# Altium PCB HGT-300.PcbDoc (part 3 of 3)
Units mil, origin at the board's own origin, x right, y up, seen from the top; angles counter-clockwise.
Board outline 10039.37 x 5590.55 mil, 2 copper layers (Top Layer, Bottom Layer); 434 components, 232 nets, 1287 pads, 266 vias.
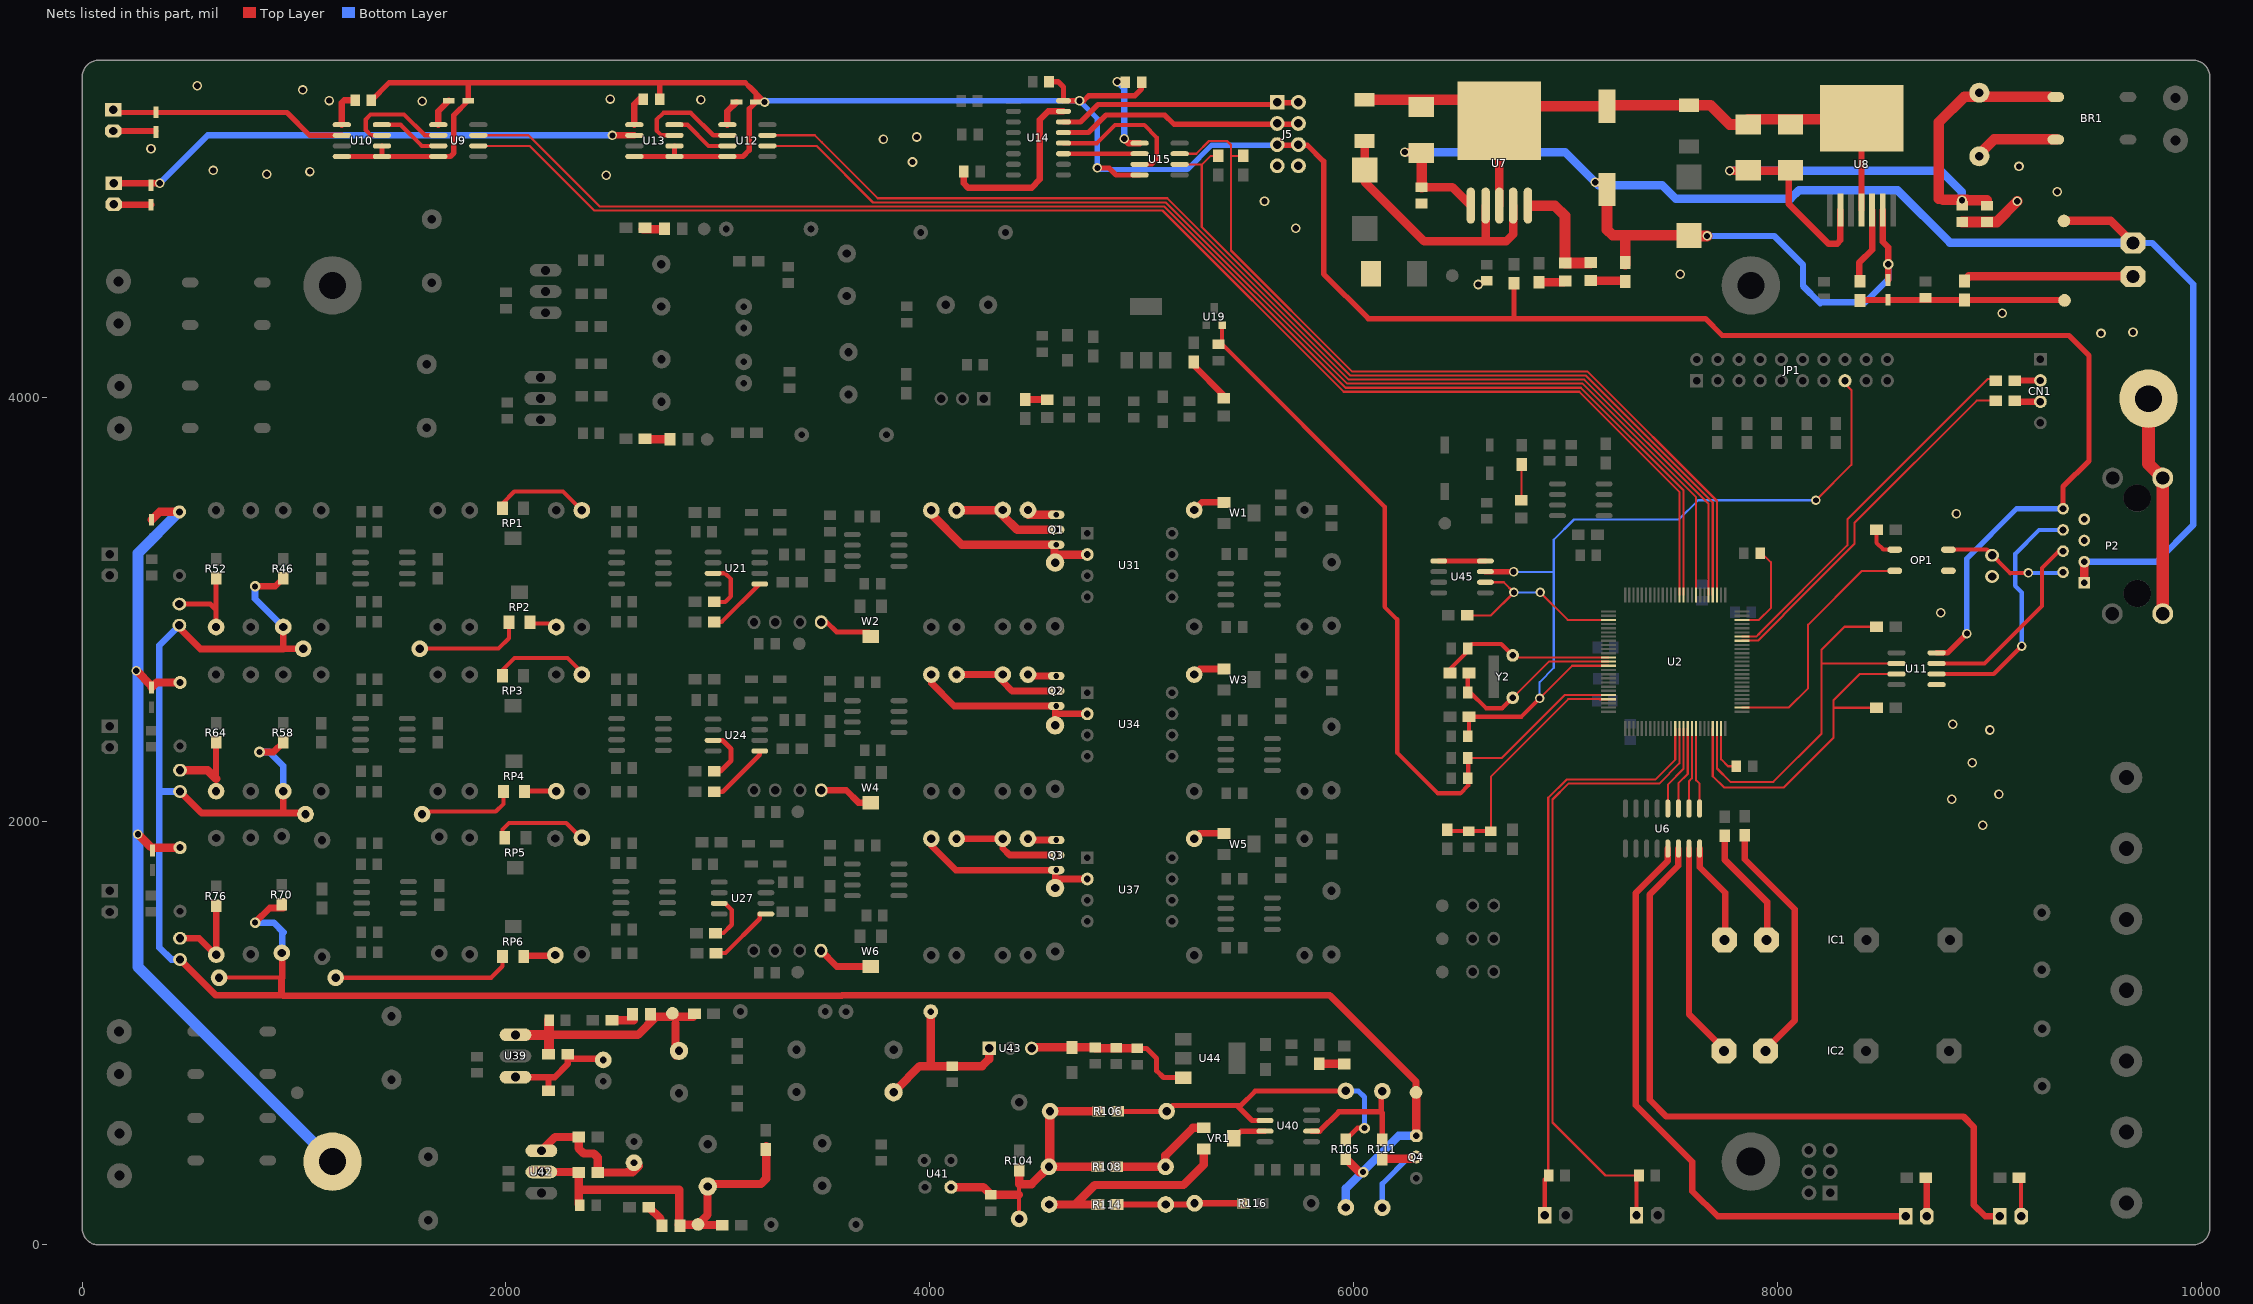
[diagram p3: the nets of this part, all layers, seen from the top]

## Via types
v1: diameter 45, hole 30, Top Layer to Bottom Layer, 224 vias
v2: diameter 45, hole 28, Top Layer to Bottom Layer, 35 vias
v3: diameter 50, hole 28, Top Layer to Bottom Layer, 6 vias
v4: diameter 50, hole 30, Top Layer to Bottom Layer, 1 vias

## Nets (pads, with @x,y where several pads share a name; then routed paths per layer and width w, separated by ;. In a path a pad name is that pad's centre, name@x,y a point inside that pad or via, vN(x,y) a via of type N, cw(c..) or ccw(c..) an arc to the next point about the centre after c; other vN are vias at no path point) (continued)
NetC141_2: C141.2 C142.2 LED7.2 P11.1 R103.2 R107.1 U39.3 | length 1172.3
  Top Layer w39.37: 2200.26,991.74 2204,991.74 2622.26,991.74 2707.52,1077 R103.2@2883.98,1077 ; 2204,984 2208,980 ; C141.2@2800,895 2800,1046
  Top Layer w47.24: U39.3@2044.99,991.74 2200.26,991.74 ; R107.1@2204,919 2204,984 2204,991.74 C142.2@2204,1060.38
NetC143_2: C143.2 R107.2 R109.2 U39.1 | length 512.4
  Top Layer w30: U39.1@2044.99,791.74 2229.74,791.74 2292,854 R107.2@2292,898.91 ; R109.2@2200.86,728 2200.86,785 ; R107.2@2299,879 C143.2@2433,879 ; R107.2@2292,898.91 2292,900 R107.2@2290.91,900 R107.2@2292,898.91
NetC144_1: C144.1 R104.1 R106.1 R108.2 U41.1 | length 1718.6
  Top Layer w20: 4419,237 4421,235 ; R104.1@4421,123 4421,235 ; 4421,287 4421,235
  Top Layer w40: U41.1@4100,273 4252,273 C144.1@4288,237 4419,237 ; R104.1@4421,364 R104.1@4421,353 4421,287 4480,287 R108.2@4562,369 ; R108.2@4561,390 4563,392 R106.1@4563,631 ; R108.2@4792,369 R108.2@4562,369 ; R106.1@4797,631 R106.1@4567,631 4567,374 R108.2@4562,369
NetC148_1: C148.1 R112.1 R115.2 U42.1 | length 642.3
  Top Layer w39.37: U42.1@2166.99,444.74 2231.99,509.74 R112.1@2342.91,509.74 2342.91,456.09 2367,432 2414,432 2432.91,413.09 R115.2@2432.91,342 2569,342 2570,343 2597,343 C148.1@2627,373
NetC149_1: C149.1 C150.1 LED8.1 P13.1 R115.1 R117.2 R118.2 U42.2 | length 1823.6
  Top Layer w20: LED8.1@2814.65,96 LED8.1@2818,99.35 ; P13.1@2906,97 2905,96 P13.1@2907,94
  Top Layer w39.37: U42.2@2166.99,344.74 R115.1@2340.17,344.74 ; C150.1@2342.91,192.18 2342.91,261 ; R115.1@2342.91,342 2342.91,261 ; LED8.1@2814.65,96 P13.1@2905,96 ; LED8.1@2818,99.35 2818,205.59 2818,261 2342.91,261 ; P13.1@2906,97 2951,142 2951,207.24 2951,288 3203,288 3228,313 R117.2@3228,467 ; P13.1@2907,94 R118.2@3020.56,94
NetC157_1: C157.1 C160.1 L10.2 U43.1 | length 830.2
  Top Layer w39.37: C157.1@3810,734 3842,734 3952,844 C160.1@4106,844 4247,844 4280,877 U43.1@4280,928.01 ; 4005,845 L10.2@4005,1095
NetC158_1: C158.1 C161.1 C162.1 C163.1 U43.3 U44.3 | length 808.8
  Top Layer w23.62: C163.1@4978,928 5022,928 5070,880 5070,822 5102.1,789.9 U44.3@5196,789.9
  Top Layer w40: U43.3@4480,928.01 4483.99,932 C158.1@4671,932 C161.1@4780,932 ; C161.1@4780,928 C163.1@4978,928
NetD2_2: D2.2 L3.1 U7.2 U7.4 | length 1315.1
  Top Layer w40: D2.2@6050,5208.56 6052,5206.56 L3.1@6052,5072.8 6052,5016 6333,4735 6719,4735 6752,4768 U7.4@6752,4904.31 ; 6622,4749 U7.2@6622,4904.31
NetD10_K: D10.K Q1.3 R88.1 U31.2 | length 901.9
  Top Layer w39.37: R88.1@4007,3466 4007,3448 4151.13,3303.87 4588,3303.87 4588,3266 ; D10.K@4588,3219.74 4588,3266 ; U31.2@4742.94,3256.04 4597.96,3256.04 4588,3266
NetD11_K: D11.K Q2.3 R95.1 U34.2 | length 909.2
  Top Layer w31.5: R95.1@4007,2691.5 4007,2651 4114.87,2543.13 Q2.3@4596,2543.13 ; D11.K@4591,2452 Q2.3@4591,2538.13 ; 4594.04,2506.04 U34.2@4742.94,2506.04
NetD12_K: D12.K Q3.3 R102.1 U37.2 | length 896.8
  Top Layer w31.5: R102.1@4007,1917 4007,1884 4122.13,1768.87 Q3.3@4596,1768.87 ; D12.K@4591,1684.74 Q3.3@4591,1763.87 ; D12.K@4594.96,1727.04 U37.2@4742.94,1727.04
NetH3_1: H3.1 U6.14 | length 3338.2
  Top Layer w30: U6.14@7532,1870.51 7532,1790 7396,1654 7396,685 7475,606 8877,606 8926,557 8926,189 8980,135 H3.1@9049,135
NetH3_2: H3.2 R19.2 | length 173.2
  Top Layer w20: H3.2@9149,135 R19.2@9149,308.16
NetH4_1: H4.1 U6.13 | length 2844.9
  Top Layer w30: U6.13@7482,1870.51 7482,1812 7331,1661 7331,660 7598,393 7598,254 7717,135 H4.1@8604,135
NetH4_2: H4.2 R20.2 | length 178.2
  Top Layer w30: H4.2@8704,135 R20.2@8704,313.19
NetIC1_3: IC1.3 R17.2 | length 580.3
  Top Layer w31.5: R17.2@7750,1931 7750,1819 7950.58,1618.42 IC1.3@7950.58,1433.74
NetIC1_4: IC1.4 U6.16 | length 487.2
  Top Layer w30: U6.16@7632,1870.51 7632,1783 7753.73,1661.27 IC1.4@7753.73,1433.74
NetIC2_3: IC2.3 R18.2 | length 1164.7
  Top Layer w30: R18.2@7845,1933 7845,1820 8081,1584 8081,1058.94 IC2.3@7944.58,922.52
NetIC2_4: IC2.4 U6.15 | length 1016.6
  Top Layer w30: U6.15@7582,1870.51 7582,1088.25 IC2.4@7747.73,922.52
NetJ2_1: J2.1 TVS12.1 U10.2 | length 1111.5
  Top Layer w25: J2.1@159,5344 TVS12.1@349,5344 966,5344 1074.15,5235.85 U10.2@1225.71,5235.85
NetJ4_1: J4.1 TVS14.1 U13.2 | length 2551.5
  Top Layer w30: J4.1@150,5009 v1(367,5009) ; v2(2501.85,5235.85) U13.2@2605.91,5235.85
  Bottom Layer w30: v1@369,5010 367,5010 592.85,5235.85 v2(2501.85,5235.85)
NetJ6_2: J6.2 R52.2 | length 414.2
  Top Layer w23.62: J6.2@459,3024.1 604.9,3024.1 632,2997 ; R52.2@632,2916 632,2997 ; R52.2@632,3146 632,2997
NetJ8_2: J8.2 R64.2 | length 358.1
  Top Layer w30: 632,2200 R64.2@632,2371.5
  Top Layer w40: J8.2@462,2240.1 591.9,2240.1 632,2200
NetJ10_2: J10.2 R76.2 | length 435.2
  Top Layer w23.62: R76.2@633,1368 R76.2@633,1370
  Top Layer w30: R76.2@633,1370 R76.2@633,1600
  Top Layer w31.5: J10.2@462,1447.1 551.9,1447.1 R76.2@632,1367
NetJ13_2: J13.2 W2.2 | length 248.9
  Top Layer w23.62: J13.2@3513.1,2939 3560.1,2892 3713.32,2892 W2.2@3734,2871.32
NetJ15_2: J15.2 W4.2 | length 258
  Top Layer w31.5: J15.2@3487.1,2145.5 3605.5,2145.5 3663.68,2087.32 W4.2@3721,2087.32
NetJ17_2: J17.2 W6.2 | length 265.8
  Top Layer w31.5: J17.2@3486.1,1389 3560.78,1314.32 W6.2@3721,1314.32
NetJP4_2: JP4.2 R23.2 | length 803.7
  Top Layer w40: R23.2@8882,4549 8903,4570 JP4.2@9677,4570
NetLED1_1: LED1.1 R22.2 | length 152.2
  Top Layer w40: LED1.1@7119,4550.76 R22.2@7271.24,4550.76
NetLED2_1: LED2.1 R25.2 | length 116.2
  Top Layer w40: R25.2@6874,4542 LED2.1@6990.24,4542
NetLED3_1: LED3.1 R36.1 | length 110.3
  Top Layer w39.37: R36.1@2644.6,4793.26 LED3.1@2754.86,4793.26
NetLED4_2: LED4.2 R38.2 | length 122.5
  Top Layer w39.37: R38.2@2652.03,3802.26 LED4.2@2774.58,3802.26
NetLED5_1: LED5.1 R44.1 | length 104.3
  Top Layer w31.5: R44.1@4450.52,3989.21 LED5.1@4554.78,3989.21
NetLED6_1: LED6.1 R43.2 | length 230
  Top Layer w30: R43.2@5245.02,4166.48 5245.02,4150.98 5387.5,4008.5 LED6.1@5387.5,3995.46
NetLED7_1: LED7.1 R110.1 | length 102.7
  Top Layer w39.37: R110.1@2500,1059.86 LED7.1@2602.76,1059.88
NetLED8_2: LED8.2 R113.2 | length 77.8
  Top Layer w39.37: R113.2@2673,179 2728,124
NetLED9_1: LED9.1 R119.2 | length 117.8
  Top Layer w39.37: R119.2@5838.24,854.76 LED9.1@5956,854.76
NetMCU_LED1_1: MCU_LED1.1 R8.2 | length 167.8
  Top Layer w10: MCU_LED1.1@6792,3515.24 R8.2@6792,3683
NetOP1_A: OP1.A R21.1 | length 161.1
  Top Layer w20: R21.1@8467,3375 8467,3313 8499,3281 OP1.A@8552.81,3281
NetOP1_K: OP1.K U2.52 | length 1163.8
  Top Layer w10: U2.52@7831.92,2536 8053,2536 8144,2627 8144,2927 8398,3181 OP1.K@8552.81,3181
NetP2_4: P2.4 U11.7 | length 921.3
  Top Layer w20: U11.7@8750.1,2744.01 8976.01,2744.01 9247,3015 9247,3194 9327,3274 P2.4@9347,3274
NetP2_6: P2.6 U11.6 | length 1177.2
  Top Layer w20: U11.6@8750.1,2694.01 9020.01,2694.01 v2(9152,2826)
  Bottom Layer w20: v2(9152,2826) 9152,3079 9121,3110 9121,3261 9234,3374 P2.6@9347,3374
NetQ1_1: Q1.1 R83.1 R86.2 | length 484.3
  Top Layer w39.37: R86.2@4126,3466 R83.1@4313,3466 ; R83.1@4344,3468 4344,3443 4412.26,3374.74 Q1.1@4588,3374.74
NetQ1_2: Q1.2 R84.1 | length 152.4
  Top Layer w39.37: R84.1@4444,3466 4464.39,3445.61 Q1.2@4588,3445.61
NetQ2_1: Q2.1 R90.1 R93.2 | length 521.7
  Top Layer w31.5: R93.2@4126,2691.5 R90.1@4344,2691.5 4344,2658 4388,2614 Q2.1@4596,2614
NetQ2_2: Q2.2 R91.1 | length 126.4
  Top Layer w31.5: R91.1@4469.63,2684.87 Q2.2@4596,2684.87
NetQ3_1: Q3.1 R97.1 R100.2 | length 528.4
  Top Layer w31.5: R100.2@4126,1917 R97.1@4344,1917 4344,1872 4376.26,1839.74 Q3.1@4596,1839.74
NetQ3_2: Q3.2 R98.1 | length 126.6
  Top Layer w31.5: R98.1@4469.39,1910.61 Q3.2@4596,1910.61
NetQ4_B: Q4.B R111.2 | length 476.2
  Top Layer w40: R111.2@6135,406 Q4.B@6286,406
  Bottom Layer w25: R111.2@6135,176 6135,289 6261,415 Q4.B@6295,415
NetR9_2: R9.2 RP2.1 | length 515.2
  Top Layer w20: R9.2@1595,2814 1965,2814 2014,2863 RP2.1@2014,2938.94
NetR10_2: R10.2 RP4.1 | length 456.9
  Top Layer w20: R10.2@1605,2045 1952,2045 1988,2081 RP4.1@1988,2139.94
NetR26_1: R26.1 U8.5 | length 357.1
  Top Layer w30: R26.1@8386,4551.47 8386,4636 8446,4696 U8.5@8446,4883.74
NetR27_1: R27.1 U2.48 U11.2 | length 1850
  Top Layer w10: U2.48@7713.81,2437.57 7713.81,2248.19 7777,2185 7980,2185 8207,2412 8207,2808 8316,2917 R27.1@8467,2917 ; 8214.99,2744.01 U11.2@8561.12,2744.01
NetR28_1: R28.1 U2.47 U11.3 | length 1640.9
  Top Layer w10: U2.47@7694.13,2437.57 7694.13,2211.87 7747,2159 8030,2159 8263,2392 8263,2569 8388.01,2694.01 U11.3@8561.12,2694.01 ; 8266,2535 R28.1@8467,2535
NetR31_1: R31.1 U2.68 | length 1725.5
  Top Layer w10: U2.68@7831.92,2850.96 7832.36,2851.39 7877,2851.39 7877.25,2851.64 7907.51,2851.64 8028,2972.13 8028,2973 8363,3308 8363,3408 8939,3984 R31.1@9029,3984
NetR32_1: R32.1 U2.69 | length 1772.5
  Top Layer w10: U2.69@7831.92,2870.64 7899.64,2870.64 7914.5,2885.5 7914.5,2886.5 8329,3301 8329,3423 8992,4086 R32.1@9029,4086
NetR48_2: R48.2 RP1.3 | length 474
  Top Layer w20: RP1.3@1983,3476.06 1983,3499 2039,3555 2269,3555 R48.2@2358,3466 ; R48.2@2385,3466 R48.2@2385,3482
NetR51_1: R51.1 U21.3 | length 266.6
  Top Layer w20: U21.3@2977.24,3169.13 3034.87,3169.13 3061,3143 3061,3061 3034.48,3034.48 R51.1@2982,3034.48
NetR55_2: R55.2 U21.5 | length 289.6
  Top Layer w20: R55.2@2982.05,2939.52 3017.63,2939.52 U21.5@3197.24,3119.13
NetR57_2: R57.2 RP2.3 | length 129
  Top Layer w20: RP2.3@2128,2932.94 2233.06,2932.94 R57.2@2250,2916
NetR60_2: R60.2 RP3.3 | length 437.3
  Top Layer w20: RP3.3@1983,2713 2040,2770 2290,2770 2358,2702 R60.2@2358,2691.5
NetR63_1: R63.1 U24.3 | length 257.9
  Top Layer w23.62: U24.3@2977.24,2381.13 3021.87,2381.13 3062,2341 3062,2285 3012.48,2235.48 R63.1@2982,2235.48
NetR67_2: R67.2 U24.5 | length 305.4
  Top Layer w20: R67.2@2982.05,2138.52 3022.52,2138.52 3197.24,2313.24 U24.5@3197.24,2331.13
NetR69_2: R69.2 RP4.3 | length 124
  Top Layer w23.62: RP4.3@2113,2142.89 R69.2@2237,2142.89
NetR72_2: R72.2 RP5.3 | length 460.4
  Top Layer w20: RP5.3@1983,1918.06 1983,1960 2014,1991 2284,1991 R72.2@2358,1917
NetR75_1: R75.1 U27.3 | length 270.6
  Top Layer w20: U27.3@2977.24,1613.87 3032.13,1613.87 3065,1581 3065,1511 3025.86,1471.86 R75.1@2989,1471.86 R75.1@2982,1471.86
NetR79_2: R79.2 U27.5 | length 306.8
  Top Layer w20: R79.2@2982.05,1377.52 3035.52,1377.52 3197.24,1539.24 U27.5@3197.24,1563.87
NetR81_2: R81.2 RP6.1 | length 856.3
  Top Layer w20: R81.2@1196,1261 1930,1261 1984,1315 RP6.1@1984,1360.94
NetR82_2: R82.2 W1.1 | length 155.6
  Top Layer w31.5: R82.2@5247,3468 5283,3504 W1.1@5387.73,3504
NetR89_2: R89.2 W3.1 | length 151.7
  Top Layer w31.5: R89.2@5247,2691.5 5273.5,2718 W3.1@5387.73,2718
NetR96_2: R96.2 W5.1 | length 151.1
  Top Layer w31.5: R96.2@5247,1917 5272,1942 W5.1@5387.73,1942
NetR105_1: R105.1 R106.2 U40.2 | length 1634.3
  Top Layer w23.62: R106.2@4887,631 R106.2@5117,631 5144,658 5449,658 ; U40.2@5581.24,587.13 5519.87,587.13 5449,658 ; R105.1@5963,497 6017,551 v3(6051,551) ; R105.1@5963,726 5535,726 5467,658 5449,658
  Bottom Layer w23.62: R105.1@5963,727 6022,727 6051,698 v3(6051,551)
NetR108_1: R108.1 VR1.1 | length 497.8
  Top Layer w39.37: R108.1@4882,369 R108.1@5112,369 ; R108.1@5111,390 5111,423 5241,553 VR1.1@5291.94,553
NetR111_1: R111.1 U40.6 | length 593.5
  Top Layer w25: U40.6@5801.24,537.13 5839.13,537.13 5930,628 6130,628 ; R111.1@6130,721 6130,628 ; R111.1@6135,496 6135,623 6130,628
NetR114_1: R114.1 VR1.3 | length 988.4
  Top Layer w39.37: R114.1@4563,191 4686,191 ; R114.1@4793,191 4686,191 ; VR1.3@5291.94,453 5291.94,377.94 5197,283 4778,283 4686,191
NetR114_2: R114.2 R116.2 | length 610
  Top Layer w30: R114.2@4883,191 R114.2@5113,191 R116.2@5263,191 ; R116.2@5249,197 R116.2@5479,197
NetR120_2: R120.2 U2.3 U45.6 | length 919.1
  Top Layer w10: R120.2@6536,2971 6648,2971 v2(6756,3079) 6707.87,3127.13 U45.6@6621.24,3127.13 ; v2(6880,3079) 7009.62,2949.38 U2.3@7202,2949.38
  Bottom Layer w10: v2(6756,3079) v2(6880,3079)
NetR811_1: R811.1 RP6.3 | length 141.9
  Top Layer w31.5: RP6.3@2084.06,1364 R811.1@2226,1364
NetU2_86: U2.86 U9.3 | length 6946.1
  Top Layer w10: U9.3@1869.49,5235.99 2106.01,5235.99 ; 2157,5185 2106.01,5235.99 ; U2.86@7556.33,3067.49 7556.33,3560.67 7072,4045 5960.87,4045 5105.87,4900 2442,4900 2106.01,5235.99
NetU2_87: U2.87 U9.2 | length 6951.6
  Top Layer w10: U9.2@1869.49,5185.99 2111.01,5185.99 ; 2197.5,5099.5 2111.01,5185.99 ; U2.87@7536.65,3067.49 7536.65,3553.35 7064,4026 5953,4026 5098,4881 2416,4881 2111.01,5185.99
NetU9_6: U9.6 U10.7 | length 529.7
  Top Layer w20: U10.7@1414.69,5235.85 1363.15,5235.85 1338,5261 1338,5311 1361,5334 1519,5334 1617.01,5235.99 U9.6@1680.51,5235.99
NetU9_7: U9.7 U10.8 | length 307.2
  Top Layer w20: U10.8@1414.69,5285.85 1503,5285.85 1602.86,5185.99 U9.7@1680.51,5185.99
NetU12_6: U12.6 U13.7 | length 535.7
  Top Layer w20: U13.7@2794.89,5235.85 2733.15,5235.85 2711,5258 2711,5310 2743,5342 2872,5342 2978.01,5235.99 U12.6@3044.51,5235.99
NetU12_7: U12.7 U13.8 | length 291
  Top Layer w20: U13.8@2794.89,5285.85 2856.15,5285.85 2956.01,5185.99 U12.7@3044.51,5185.99
NetU40_3: U40.3 VR1.2 | length 161.7
  Top Layer w25: VR1.2@5433.68,503 5467.81,537.13 U40.3@5581.24,537.13
NetU45_1: U45.1 U45.8 | length 220
  Top Layer w25: U45.1@6401.24,3227.13 U45.8@6621.24,3227.13
OSC_IN: C12.1 R11.1 U2.12 Y2.2 | length 850
  Top Layer w10: Y2.2@6750,2782 6759.78,2772.22 U2.12@7202,2772.22
  Top Layer w20: R11.1@6454.05,2699 6454.05,2717.05 6537.53,2800.53 C12.1@6537.53,2814.74 6558.79,2836 6696,2836 Y2.2@6750,2782
OSC_OUT: C13.1 R11.2 U2.13 Y2.1 | length 871.5
  Top Layer w10: Y2.1@6750,2582 6920.53,2752.53 U2.13@7202,2752.53
  Top Layer w20: R11.2@6537.53,2692.47 C13.1@6537.53,2607 6550,2607 6624,2533 6701,2533 Y2.1@6750,2582
PC12: U2.80 U12.3 | length 5637
  Top Layer w10: U12.3@3233.49,5235.99 3457.01,5235.99 ; 3490,5203 3457.01,5235.99 ; U2.80@7674.44,3067.49 7674.44,3496.3 7087.74,4083 5976.61,4083 5120.61,4939 3754,4939 3457.01,5235.99
PD2: U2.83 U12.2 | length 5560.6
  Top Layer w10: U12.2@3233.49,5185.99 3465.01,5185.99 ; 3487,5164 3465.01,5185.99 ; U2.83@7615.39,3067.49 7615.39,3528.48 7079.87,4064 5968.74,4064 5113.74,4919 3732,4919 3465.01,5185.99
PE: P2.11 P2.12 pad.@9750.17,3993.56 | length 1117.4
  Top Layer w60: pad.@9697,3940.39 pad.@9750.17,3993.56 9750.17,3685.83 P2.12@9817,3619 P2.11@9817,2979
PE7: C29.1 H1.1 U2.38 | length 2796.2
  Top Layer w10: C29.1@6918,329.74 6918,2110 7004,2196 7423,2196 7516.96,2289.96 U2.38@7516.96,2437.57
  Top Layer w20: H1.1@6901,140.74 6901,308.74 C29.1@6920,327.74
PE8: C30.1 H2.1 U2.39 | length 3045.2
  Top Layer w10: C30.1@7345.83,327.74 7188.26,327.74 6938,578 6938,2102 7013,2177 7441,2177 7536.65,2272.65 U2.39@7536.65,2437.57
  Top Layer w20: H2.1@7334.33,140.74 C30.1@7334.33,316.24
PE9: U2.40 U6.4 | length 408.9
  Top Layer w10: U6.4@7482,2059.49 7482,2172 7556.33,2246.33 U2.40@7556.33,2437.57
PE10: U2.41 U6.3 | length 396.3
  Top Layer w10: U6.3@7532,2059.49 7532,2178 7576.02,2222.02 U2.41@7576.02,2437.57
PE11: U2.42 U6.2 | length 383.8
  Top Layer w10: U6.2@7582,2059.49 7582,2188 7595.7,2201.7 U2.42@7595.7,2437.57
PE12: U2.43 U6.1 | length 385
  Top Layer w10: U2.43@7615.39,2437.57 7615.39,2192.61 7632,2176 U6.1@7632,2059.49
PGND: pad.@1181.25,393.7 TVS16.2 TVS17.2 TVS18.2 Y3.1 Y4.1 Y5.1 | length 4147.9
  Top Layer w39.37: v1(256,2710) 327.5,2638.5 TVS17.2@327.5,2630.52 350.98,2654 Y4.1@462,2654 ; v1(263.44,1938) 323.92,1877.52 TVS18.2@327.5,1877.52 ; TVS16.2@327.5,3421.52 364.98,3459 Y3.1@459,3459 ; TVS18.2@330.02,1875 Y5.1@462,1875
  Bottom Layer w50: Y3.1@459,3459 263.44,3263.44 v1(263.44,1938) 263.44,1311.51 pad.@1181.25,393.7
RESET: C15.2 JP1.15 R12.1 U2.14 U45.7 | length 3912.3
  Top Layer w10: v2(6877,2579) 7030.85,2732.85 U2.14@7202,2732.85 ; v2(8181,3514) 8348,3681 8348,4034 8318,4064 JP1.15@8318,4078
  Top Layer w20: C15.2@6537.53,2400 6544,2406.47 R12.1@6544,2493 6791,2493 v2(6877,2579)
  Top Layer w25: U45.7@6621.24,3177.13 v1@6752.87,3177.13
  Bottom Layer w10: v1(6754,3176) 6941,3176 6944,3173 ; v2(6877,2579) 6877,2656 6944,2723 6944,3173 ; v2(8181,3514) 7625,3514 7534,3423 7039,3423 6944,3328 6944,3173
RESETOUT: 
RESETOUT: J1.2 OP1.C P2.2 | length 593.4
  Top Layer w20: OP1.C@8806.04,3281 8987,3281 9097,3171 ; 9098,3170 9097,3171 ; v2(9183,3171) 9097,3171
  Bottom Layer w20: v2@9186,3174 v2(9183,3171) 9344,3171 P2.2@9347,3174
RIN: J5.1 J5.8 U14.14 | length 1149.1
  Top Layer w25: U14.14@4630.22,5299 4711,5299 4793,5381 5634,5381 5642,5389 J5.8@5742,5389
RXD: U14.12 U15.7 | length 693.6
  Top Layer w20: U14.12@4630.22,5199 4789,5199 4874,5284 5012,5284 5070,5226 5070,5121 5047.99,5098.99 U15.7@4989.51,5098.99
SC_5V: C45.2 C46.2 C47.1 C51.2 J5.3 J5.6 P2.8 R24.1 TVS13.1 TVS15.1 U9.8 U10.4 U10.5 U10.6 U11.8 U12.8 U13.4 U13.5 U13.6 U14.16 U15.8 | length 13955.7
  Top Layer w25: U10.4@1225.71,5135.85 U10.5@1414.69,5135.85 ; C45.2@1365,5401 1448,5484 3129,5484 3152,5461 ; U10.6@1414.69,5185.85 U10.5@1414.69,5135.85 ; 1822,5481 TVS13.1@1822,5399 1754,5331 1754,5152 1737.99,5135.99 U9.8@1680.51,5135.99 1680.37,5135.85 U10.5@1414.69,5135.85 ; U13.4@2605.91,5135.85 U13.5@2794.89,5135.85 ; C51.2@2725,5406 2725,5480 ; U13.6@2794.89,5185.85 U13.5@2794.89,5135.85 ; U12.8@3044.37,5135.85 U13.5@2794.89,5135.85 ; U12.8@3044.51,5135.99 3117.99,5135.99 3148,5166 3148,5361 TVS15.1@3180,5393 3180,5433 ; v1(3220,5393) 3180,5433 ; C47.1@4562,5489 4605,5489 4630.22,5463.78 U14.16@4630.22,5399 v1(4706,5399) 4726,5399 4750,5423 4968,5423 4999,5454 C46.2@4999,5487 ; v2(4790,5082) 4846,5082 4879.01,5048.99 U15.8@4989.51,5048.99 ; J5.3@5642,5189 5782,5189 5858,5113 5858,4582 6069,4371 7659,4371 7739,4291 9375,4291 9469,4197 9469,3700 9347,3578 P2.8@9347,3474 ; 6756,4375 R24.1@6756,4538 ; U11.8@8750.1,2794.01 8802.01,2794.01 v2(8893,2885) ; 3152,5461 3155,5461 3180,5436 3180,5433 ; 3152,5461 3180,5433
  Bottom Layer w25: v1@3226,5399 v1(4706,5399) 4790,5315 v2(4790,5082) 4797,5075 5215,5075 5329,5189 J5.3@5642,5189 ; v2(8893,2885) 8893,3239 9128,3474 P2.8@9347,3474
SC_12V: C39.1 C40.2 C43.1 JP4.1 L4.2 P2.1 P2.3 P?.1 R22.1 TVS11.1 U7.1 U8.6 | length 9090.7
  Top Layer w30: L4.2@7582,4764.2 L4.2@7585.2,4761 ; U8.6@8496,4883.74 8496,4734 8522,4708 v4(8522,4628) TVS11.1@8522,4553
  Top Layer w40: v1(6241,5157) 6314,5157 C39.1@6318,5153 ; C40.2@6320,4991 6465.31,4991 U7.1@6552,4904.31 ; v1(7139,5015) 7160.06,5015 C43.1@7195,4980.06 ; P?.1@9351,4832 9572.48,4832 JP4.1@9677,4727.48 ; P2.1@9447,3124 P2.3@9447,3224
  Top Layer w50: C39.1@6318,5153 6320,5151 C40.2@6320,4991 ; C43.1@7195,4980.06 7195,4791 7221.8,4764.2 L4.2@7582,4764.2 ; R22.1@7281,4627 R22.1@7281,4636 7281,4751.2 ; L4.2@7585.2,4761 v2(7667,4761)
  Bottom Layer w30: v2(7667,4761) 7984,4761 8120,4625 8120,4525 8197,4448 ; 8202,4443 8197,4448 ; v4(8522,4628) 8522,4557 8413,4448 8197,4448 ; P2.3@9447,3224 9789,3224 9962,3397 9962,4534 9768.52,4727.48 JP4.1@9677,4727.48 JP4.1@9674.48,4730
  Bottom Layer w40: v1(6241,5157) 6997,5157 v1(7139,5015) 7154.5,4999.5 7456.5,4999.5 7519,4937 8061,4937 8101,4977 8566,4977 8813,4730 JP4.1@9674.48,4730
SC_GND: BR1.- C33.2 C34.1 C36.2 C37.2 C38.1 C39.2 C40.1 C41.2 C42.1 C43.2 C44.2 C45.1 C46.1 C50.2 C51.1 D2.1 D3.1 J1.1 J2.2 J4.2 J5.4 J5.5 LED1.2 LED2.2 OP1.E P2.5 P2.7 P4.1 R23.1 R26.2 TVS11.2 TVS12.2 TVS13.2 TVS14.2 TVS15.2 U7.0 U7.3 U7.5 U8.4 U8.8 U9.5 U10.1 U11.5 U12.5 U13.1 U14.15 U15.5 | length 7657.4
  Top Layer w30: J2.2@147,5256 TVS12.2@344.48,5256 ; J4.2@149,4910 150.52,4908.48 TVS14.2@326,4908.48 ; U10.1@1225.71,5285.85 1225.71,5389.71 1237,5401 C45.1@1288,5401 ; U9.5@1680.51,5285.99 1680.51,5350.03 TVS13.2@1729.48,5399 ; U13.1@2605.91,5285.85 2605.91,5382.91 2629,5406 C51.1@2648,5406 ; U12.5@3044.51,5285.99 3044.51,5350.03 TVS15.2@3087.48,5393 ; C50.2@4160,5065 4160,5009 4180,4989 4480,4989 4519,5028 4519,5309 4559,5349 U14.15@4630.22,5349 ; v1(4917,5219) 4937.01,5198.99 U15.5@4989.51,5198.99 ; R26.2@8386,4461.47 R26.2@8388.53,4464 ; R26.2@8391.53,4459 R23.1@8882,4459 P4.1@9352,4459 ; U8.4@8396,4883.74 8396,5311.18 U8.8@8396,5315.39
  Top Layer w40: U7.3@6687,4904.31 U7.0@6687,5304.31
  Top Layer w50: D2.1@6050,5403.44 6587.87,5403.44 U7.0@6687,5304.31 6756.46,5373.76 C43.2@7195,5373.76 7198.68,5377.44 D3.1@7582,5377.44 7683.56,5377.44 7774,5287 C36.2@7861,5287 ; U7.5@6831,4904.31 6948.69,4904.31 6997,4856 LED2.2@6997,4633.4 LED1.2@7117,4633.4 ; C36.2@7861,5311.18 8396,5311.18 U8.8@8447.79,5311.18 ; C38.1@8872,4827 C34.1@8988,4827 9034,4827 v1(9131,4924) ; C33.2@8973,5168 9022.6,5217.6 BR1.-@9315.72,5217.6
  Bottom Layer w30: v1(4885,5488) 4917,5456 v1(4917,5219)
  other v1: 8968,1981 8821,2103 9044.43,2126 8918,2276 9002,2430 8827,2457 8770,2984 8844,3450 9526,4301 9677,4306 9060,4396 6587,4532 7540,4580 5727,4797 5578.95,4925 9320,4969 2473.76,5048 871,5052 1075,5065 619,5070 9139,5089 3918,5110 325,5173 3781,5217 3938,5228 1605,5396 1166,5400 2920,5404 2492,5407 1041,5449.94 544,5469
TEST_RXD: CN1.2 R32.2 | length 114
  Top Layer w30: R32.2@9126,4079 CN1.2@9240,4079
TEST_TXD: CN1.3 R31.2 | length 116
  Top Layer w30: R31.2@9124,3979 CN1.3@9240,3979
TOUT: J5.2 J5.7 U14.13 | length 1163.4
  Top Layer w25: U14.13@4630.22,5249 4748,5249 4831,5332 5108,5332 5152,5288 J5.7@5741,5288
TXD: U14.11 U15.6 | length 359.3
  Top Layer w20: U14.11@4630.22,5149 U15.6@4989.5,5149
UART4_RX: R29.1 U2.79 U15.2 | length 3877
  Top Layer w10: U15.2@5178.49,5098.99 5281.01,5098.99 ; R29.1@5361,5139 5325,5139 5283,5097 5283,4803.48 5984.48,4102 7095.61,4102 7694.13,3503.48 U2.79@7694.13,3067.49
UART4_TX: R30.1 U2.78 U15.3 | length 4052.3
  Top Layer w10: U15.3@5178.49,5148.99 5256.99,5148.99 5317,5209 5402,5209 5421,5190 5421,4692.35 5992.35,4121 7103.48,4121 7713.81,3510.67 U2.78@7713.81,3067.49 ; 5425,5139 R30.1@5479,5139
VCAP1: C32.2 U2.49 | length 231
  Top Layer w10: U2.49@7733.5,2437.57 7733.5,2291.5 7766,2259 C32.2@7805,2259
VCAP2: C31.2 U2.73 | length 481.5
  Top Layer w10: U2.73@7831.92,2949.38 7912.38,2949.38 7968,3005 ; C31.2@7926,3264 7968,3222 7968,3005 ; 7968,3051 7968,3005
VDDA: C19.2 C20.2 L1.2 U2.22 | length 1202.8
  Top Layer w10: C19.2@6647,1953 6647,2210 7012.37,2575.37 U2.22@7202,2575.37 7201.57,2574.93 7161.2,2574.93
  Top Layer w20: L1.2@6448.53,1953 C20.2@6542,1953 C19.2@6647,1953
VIN: BR1.+ C33.1 C34.2 C36.1 C37.1 C38.2 U8.2 | length 3267
  Top Layer w30: C37.1@8061,5071 8053,5063 8053,4912 8240,4725 8281,4725 8296,4740 U8.2@8296,4883.74
  Top Layer w40: v1(7774,5068) C37.1@8048,5068 ; 8760,4935.74 8775.62,4933.61 8778.8,4933.18 8782,4932.74
  Top Layer w50: 8760,4935.74 8760,5296.73 8881.65,5418.38 BR1.+@9283.72,5418.38 ; 8782,4932.74 v1@8892,4932.74 ; v1(8870,4929) 8986,4929
  Bottom Layer w40: v1(7774,5068) 8771,5068 8870,4969 v1(8870,4929)
VREF+: C16.2 C17.2 C76.1 U2.21 U19.2 | length 3697.1
  Top Layer w10: C16.2@6537.53,2297.74 6540,2297.74 6698.74,2297.74 6996.05,2595.05 U2.21@7202,2595.05
  Top Layer w20: C76.1@5373.5,4255.5 6146,3483 6146,3011 6205,2952 6205,2323 6397,2131 6503,2131 6540,2168 C16.2@6540,2297.74 ; C76.1@5379,4267.01 U19.2@5379,4340
VZ: J6.1 J8.1 J10.1 P12.1 Q4.E R9.1 R10.1 R46.2 R58.2 R70.2 R81.1 R105.2 | length 11890.1
  Top Layer w20: R81.1@646,1261 647,1262 945,1262
  Top Layer w31.5: J6.1@459,2924 459,2911 558,2812 949,2812 R46.2@949,2916 ; J10.1@462,1347 631.25,1177.75 941,1177.75 941,1250 ; J8.1@462,2140 564,2038 R10.1@1055,2038 ; v3(816,1521) 885,1590 R70.2@950,1590 ; v3(816,3108) 911,3108 R46.2@949,3146 ; v3(837,2326) 903.5,2326 R58.2@949,2371.5 ; 945,1262 R70.2@945,1376 ; 949,1177.75 950.31,1176.44 3584.7,1176.44 3586.01,1177.75 5887.25,1177.75 6294,771 P12.1@6294,720 ; 949,2044 R58.2@949,2141.5 ; 951,2814 R9.1@1045,2814
  Top Layer w39.37: R105.2@5963,407 6026,344 v3(6044,344) ; Q4.E@6295,515 P12.1@6295,719
  Bottom Layer w31.5: 365,2140 J8.1@462,2140 ; J6.1@459,2924 364,2829 364,1404 421,1347 J10.1@462,1347 ; v3(816,1521) 904,1521 950,1475 945,1470 R70.2@945,1376 ; v3(816,3108) 816,3049 R46.2@949,2916 ; v3(837,2326) 883,2326 949,2260 R58.2@949,2141.5
  Bottom Layer w39.37: R105.2@5963,177 5963,267 6211,515 Q4.E@6295,515
pads on no net: JP1.11 JP1.17 JP1.19 JP3.1 P2. P2.9 P2.10 PE1.4 PE1.5 PE1.6 U2.2 U2.4 U2.5 U2.7 U2.8 U2.9 U2.15 U2.16 U2.17 U2.18 U2.23 U2.29 U2.30 U2.31 U2.32 U2.33 U2.34 U2.35 U2.36 U2.37 U2.44 U2.45 U2.46 U2.51 U2.53 U2.54 U2.55 U2.56 U2.57 U2.58 U2.59 U2.60 U2.61 U2.62 U2.63 U2.64 U2.65 U2.66 U2.67 U2.70 U2.71 U2.81 U2.82 U2.84 U2.85 U2.88 U2.91 U2.95 U2.96 U2.97 U2.98 U2.99 U6.5 U6.6 U6.7 U6.10 U6.11 U6.12 U10.3 U13.3 U14.7 U14.8 U14.9 U14.10 U22.1 U22.5 U22.8 U23.1 U23.5 U23.8 U25.1 U25.5 U25.8 U26.1 U26.5 U26.8 U28.1 U28.5 U28.8 U29.1 U29.5 U29.8 U30.1 U30.5 U30.8 U31.7 U31.8 U32.1 U32.5 U32.8 U33.1 U33.5 U33.8 U34.7 U34.8 U35.1 U35.5 U35.8 U36.1 U36.5 U36.8 U37.7 U37.8 U38.1 U38.5 U38.8 U40.1 U40.5 U40.8

## Polygon pours and split planes (outlines as drawn)
SC_GND on Bottom Layer "Top Layer-No Net" (hatched 45Degree grid 20 track 10, remove dead copper, pour order 36): 272,5476 274,5476 310,5512 9418,5512 9418,5511 9452,5477 9452,5012 9498,4966 9501,4969 9653,4969 9886,4736 9886,2917 9778,2809 9777,2810 9275,2810 9186,2721 9186,1924 9120,1858 8792,1858 8687,1963 8693,1969 8693,3465 8694,3465 8781,3552 9412,3552 9505,3645 9505,4212 9363,4354 7720,4354 7667,4407 5993,4407 5415,4985 5415,4986 516,4986 468,4938 463,4938 463,4888 393,4818 328,4818 273,4873 273,5477
AGND on Bottom Layer "Top Layer-No Net" (hatched 45Degree grid 20 track 10, remove dead copper, pour order 28): 340,3606 4739,3606 4802,3543 4802,1343 4944,1201 6041,1201 6381,861 6381,148 6278,45 6278,44 889,44 764,169 763,169 763,1025 765,1027 648,1144 432,1144 258,1318 257,1318 257,3523
GND on Bottom Layer "BGND" (hatched 45Degree grid 20 track 10, remove dead copper, pour order 26): 662.14,4790.14 662.14,4791.14 791.14,4920.14 794.14,4917.14 5323.14,4917.14 5327.14,4917.14 6031.14,4213.14 6085.14,4267.14 7428.14,4267.14 9373.14,4267.14 9407.14,4233.14 9469.14,4171.14 9469.14,3932.14 9469.14,3735.14 9395.14,3661.14 9368.14,3634.14 8947.14,3634.14 8753.14,3634.14 8672.14,3553.14 8647.14,3528.14 8647.14,3288.14 8647.14,2011.14 8407.14,1771.14 8402.14,1766.14 7458.14,1766.14 7423.14,1766.14 7350.14,1693.14 7360.14,1683.14 7360.14,614.14 7370.14,614.14 7385.14,599.14 7405.14,579.14 9130.14,579.14 9196.14,579.14 9326.14,449.14 9363.14,412.14 9363.14,118.14 9328.14,118.14 9266.14,56.14 9226.14,96.14 6661.14,96.14 6654.14,96.14 6574.14,176.14 6576.14,178.14 6576.14,764.14 6569.14,764.14 6078.14,1255.14 6076.14,1253.14 5144.14,1253.14 5144.14,1255.14 5089.14,1310.14 5091.14,1312.14 5091.14,3675.14 5091.14,3677.14 5028.14,3740.14 5026.14,3742.14 759.14,3742.14 656.14,3845.14 656.14,3879.14 656.14,4782.14 664.14,4790.14
AGND on Top Layer "Top Layer-No Net" (hatched 45Degree grid 20 track 10, remove dead copper, pour order 32): 262,3525 343,3606 4738,3606 4802,3542 4802,1343 4945,1200 6040,1200 6379,861 6378,860 6378,142 6280,44 6279,45 885,45 764,166 765,167 765,1026 764,1026 645,1145 428,1145 428,1149 257,1320 259,1322 259,3525
GND on Top Layer "PET" (hatched 45Degree grid 20 track 10, remove dead copper, pour order 20): 665.45,4786 665.45,4787 794.45,4916 797.45,4913 5326.44,4913 5330.44,4913 6034.44,4209 6088.44,4263 7431.44,4263 9376.44,4263 9410.44,4229 9472.44,4167 9472.44,3928 9472.44,3731 9398.44,3657 9371.44,3630 8950.44,3630 8756.44,3630 8675.44,3549 8650.44,3524 8650.44,3284 8650.44,2007 8410.44,1767 8405.44,1762 7461.44,1762 7426.44,1762 7353.44,1689 7363.44,1679 7363.44,610 7373.44,610 7388.44,595 7408.44,575 9133.44,575 9199.44,575 9329.44,445 9366.44,408 9366.44,114 9331.44,114 9269.44,52 9229.44,92 6664.44,92 6657.44,92 6577.44,172 6579.44,174 6579.44,760 6572.44,760 6081.44,1251 6079.44,1249 5147.44,1249 5147.44,1251 5092.44,1306 5094.44,1308 5094.44,3671 5094.44,3673 5031.44,3736 5029.44,3738 762.45,3738 659.45,3841 659.45,3875 659.45,4778 667.45,4786
SC_GND on Top Layer "Top Layer-No Net" (hatched 45Degree grid 20 track 8, remove dead copper, pour order 34): 274,5476 311,5513 9416,5513 9416,5511 9451,5476 9451,5015 9497,4969 9498,4970 9654,4970 9654,4968 9887,4735 9887,2918 9885,2918 9777,2810 9773,2814 9279,2814 9279,2812 9189,2722 9189,1926 9119,1856 8795,1856 8795,1857 8688,1964 8693,1969 8693,3465 8781,3553 8784,3550 9411,3550 9501,3640 9501,4216 9360,4357 6042,4357 5415,4984 506,4984 506,4983 462,4939 463,4938 463,4887 461,4887 390,4816 329,4816 329,4818 270,4877 272,4879 272,5476

## Keep-outs
Keep-Out Layer:
  lines w10: 0.15,5511.81 0.15,78.74 ccw(c78.89,78.74) 78.89,0 9960.78,0 ; 0.66,5511.81 cw(c78.89,5511.81) 78.89,5590.05 ; 78.89,5590.55 9961.29,5590.55 ; 9960.78,0.51 ccw(c9960.78,78.74) 10039.01,78.74 ; 9960.78,5590.05 cw(c9960.78,5511.81) 10039.01,5511.81 ; 10039.52,78.74 10039.52,5512.3

## Silkscreen, mask and mechanical layers (free items; w line width, h text height)
Top Overlay:
  circle w10: c5278,659.74 r26.83
  circle w10: c5551,1979.74 r26.83
  circle w10: c5538,3540.74 r26.83
  circle w10: c5544,2763.74 r26.83
  circle w10: c3667,2816.74 r26.83
  circle w10: c3662,1315.74 r26.83
  circle w10: c1988,1648.74 r26.83
  circle w10: c2133,2312.74 r26.83
  circle w10: c1993,2428.74 r26.83
  circle w10: c1986,3229.74 r26.83
  circle w10: c1989,3560.74 r26.83
  circle w10: c7874.17,4527.56 r118.11
  circle w20: c7220,3043 r10
  lines w10: 271,5059 271,5110 ; 506,4980 464,4938 464,4890 391,4817 331,4817 271,4877 271,4884 271,5473 309,5511 9264,5511 9416,5511 9451,5476 9451,5031 9451,5015 9497,4969 9651,4969 ; 508,4984 5415,4984 6083,4316 8622,4316 ; 1179.95,275.6 cw(c1181.25,393.7) 1181.25,275.59 ; 1179.95,4409.46 cw(c1181.25,4527.56) 1181.25,4409.45 ; 1975,3230.74 1996,3230.74 ; 1977,1649.74 1998,1649.74 ; 1978,3561.74 1999,3561.74 ; 1982,2429.74 2003,2429.74 ; 1986,3222.74 1986,3238.74 ; 1988,1641.74 1988,1657.74 ; 1989,3553.74 1989,3569.74 ; 1993,2421.74 1993,2437.74 ; 2122,2313.74 2143,2313.74 ; 2133,2305.74 2133,2321.74 ; 3651,1316.74 3672,1316.74 ; 3656,2817.74 3677,2817.74 ; 3662,1308.74 3662,1324.74 ; 3667,2809.74 3667,2825.74 ; 4544.63,652.74 4544.63,668.74 ; 5086,3608 5086,3678 5025,3739 659,3739 659,4790 788,4919 5318,4919 6024,4213 7413,4213 ; 5267,660.74 5288,660.74 ; 5527,3541.74 5548,3541.74 ; 5533,2764.74 5554,2764.74 ; 5538,3533.74 5538,3549.74 ; 5540,1980.74 5561,1980.74 ; 5544,2756.74 5544,2772.74 ; 5551,1972.74 5551,1988.74 ; 6281,46 886,46 766,166 766,1025 647,1144 432,1144 258,1318 258,3453 258,3522 342,3606 4738,3606 4801,3543 4801,1344 4944,1201 6039,1201 6379,861 6379,144 6281.5,46.5 ; 6465,867 6466,867 6569,764 6569,4 ; 7872.86,275.6 cw(c7874.17,393.7) 7874.17,275.59 ; 8280,1765 8398.26,1765 ; 8397,1763.74 7362,1763.74 7357,1758.74 7357,613.74 7382,588.74 9304,588.74 9305.26,588.74 9357,537 9357,0 ; 8689,1964 8794,1859 9118,1859 9187,1928 9187,2720 9279,2812 9778,2812 9885,2919 9885,4731 9808,4808 9808,4814 ; 9155.4,5143.74 9157,5145.35 ; 9653,4969 9810,4812 ; 9883,4723 9883,4705 9909,4679
  text "BODY2_EPROM" at 487,5318 h40
  text "BODY1_EPROM" at 490,5208 h40
  text "串口" at 5610,4918 h78.74
  text "SC_12V" at 9109,4804 h40
  text "M_-12V" at 3058,4525 h40
  text "3.3V" at 5078,4505.74 h40
  text "SC_5V" at 6404,4441 h40
  text "SC_GND" at 9109,4415 h40
  text "JTAG_下载口" at 7954,4313 h40
  text "G" at 9325,4181.74 h40
  text "R" at 9328,4082.74 h40
  text "T" at 9329,3975 h40
  text "M+12V" at 3025,3925 h40
  text "3.3V" at 9336,3865 h40
  text "Test-串口" at 8972,3832 h40
  text "GND" at 6258.07,3385 h40
  text "180K" at 5221,3343 h40 r270
  text "6.8K" at 5809,3293 h40 r270
  text "6.8K" at 3987,3244 h40 r270
  text "BODY2" at 89.79,2937 h40
  text "V" at 186.29,2863 h40
  text "G" at 185.64,2789 h40
  text "BODY1" at 91.94,2193 h40
  text "L" at 9408,2175 h40
  text "V" at 186.29,2119 h40
  text "G" at 185.64,2050 h40
  text "N" at 9406,1891.74 h40
  text "L_out" at 9403,1645.74 h40 r270
  text "A1" at 6278,1571 h40
  text "WATER" at 84.53,1417 h40
  text "A2" at 6274,1411 h40
  text "L_Rout" at 9406,1343.74 h40 r270
  text "V" at 186.29,1335 h40
  text "G" at 185.64,1271 h40
  text "A3" at 6275,1258 h40
  text "A_-12V" at 2540,1134 h40
  text "A3.3V" at 5430,1096 h40 r270
  text "L_Lout" at 9411,967 h40 r270
  text "Co:HOKAI" at 6663,905.74 h40
  text "DATE:2017-6-22" at 6662,800.74 h40
  text "Ver:Cool-3.1" at 6663,699.74 h40
  text "AGND" at 1064,684 h40
  text "N_out" at 9409,596 h40 r270
  text "4.7K" at 4320,531 h40 r270
  text "IO" at 6872,409.74 h40
  text "G" at 7005,409.74 h40
  text "IO" at 7301,409.74 h40
  text "G" at 7422,408.74 h40
  text "C" at 8997,399 h40
  text "V" at 9142,397 h40
  text "C" at 8570,394 h40
  text "V" at 8697,394 h40
  text "W_POSION_L" at 6721,364.74 h40 r270
  text "W_POSION_F" at 7581,352.74 h40 r270
  text "Cool_Pump" at 8425,327 h40 r270
  text "Heat_Pump" at 9290,289 h40 r270
  text "15K" at 5755,198 h40
  text "A_+12V" at 2511,48 h40
Mechanical 1:
  lines w10: 6341,903 6377,867 ; 6377,867 6468,867 6078,1257 5133,1257 5083,1307 5083,3674 5073,3684 4850,3684 4808,3684 4801,3677 4801,1344 4944,1201 6043,1201 6377,867

## Text inside footprints (layer, text, board x,y; h text height)
IC1: Top Overlay "~" at 8828,1366 h40 r180; Top Overlay "~" at 8453,1371 h40 r180; Top Overlay "+" at 7978,1331 h40 r180; Top Overlay "-" at 7778,1326 h40 r180
IC2: Top Overlay "~" at 8825,842 h40 r180; Top Overlay "~" at 8450,847 h40 r180; Top Overlay "+" at 7975,807 h40 r180; Top Overlay "-" at 7775,802 h40 r180
JP4: Top Overlay "-" at 9707,4408.74 h40 r90; Top Overlay "+" at 9707,4818.74 h40 r90